# Altium PCB PM12_CFD.PcbDoc (part 1 of 12) (continued)
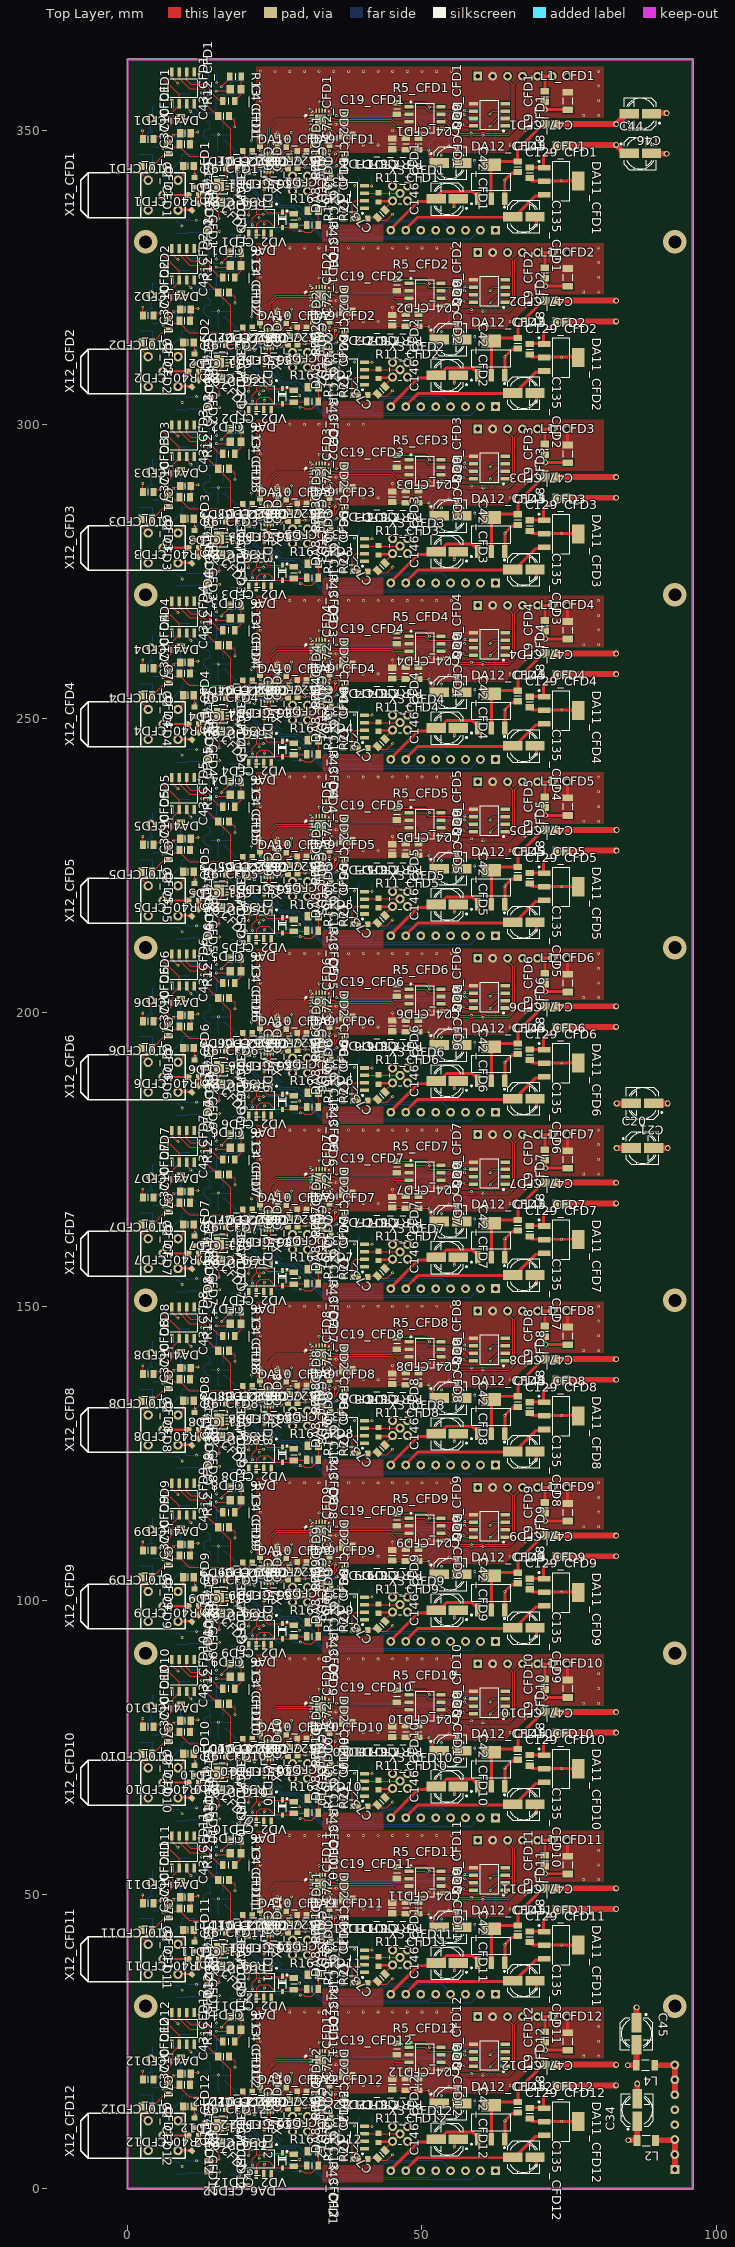
[diagram p0: Top Layer view]
## Design rules (kind name [scope] priority, off if disabled: settings) (continued)
PolygonConnect CAM_PolygonConnect_$Net1228 [InNet('$Net1228')] p57: connectstyle=Direct reliefconductorwidth=0.254 reliefentries=4 polygonreliefangle="90 Angle" airgapwidth=0.254
PolygonConnect CAM_PolygonConnect_$Net1236 [InNet('$Net1236')] p58: connectstyle=Direct reliefconductorwidth=0.254 reliefentries=4 polygonreliefangle="90 Angle" airgapwidth=0.254
PolygonConnect CAM_PolygonConnect_$Net1240 [InNet('$Net1240')] p59: connectstyle=Direct reliefconductorwidth=0.254 reliefentries=4 polygonreliefangle="90 Angle" airgapwidth=0.254
PolygonConnect CAM_PolygonConnect_$Net1245 [InNet('$Net1245')] p60: connectstyle=Direct reliefconductorwidth=0.254 reliefentries=4 polygonreliefangle="90 Angle" airgapwidth=0.254
PolygonConnect [All] p61: connectstyle=Direct reliefconductorwidth=0.254 reliefentries=4 polygonreliefangle="90 Angle" airgapwidth=0.254
RoutingVias [All] p1: holewidth=0.711 width=1.27 viastyle="Through Hole" minholewidth=0.2 minwidth=0.3 maxholewidth=5 maxwidth=5.2
SolderMaskExpansion [All] p1: expansion=0.102 istentingtop=FALSE
SupplyNets "Schematic Supply Nets_4" [InNet('N5V5_PM12')] p1: voltage=0.000
SupplyNets "Schematic Supply Nets_3" [InNet('GND')] p2: voltage=0.000
SupplyNets "Schematic Supply Nets_2" [InNet('N5V5')] p3: voltage=0.000
SupplyNets "Schematic Supply Nets_1" [InNet('P5V5_PM12')] p4: voltage=0.000
SupplyNets "Schematic Supply Nets" [InNet('P5V5')] p5: voltage=0.000
Width [All] p1: maxlimit=12.7 minlimit=0.076 preferedwidth=0.076 midlayer1_minwidth=0.076 midlayer2_minwidth=0.076 midlayer3_minwidth=0.076 midlayer4_minwidth=0.076 bottomlayer_minwidth=0.076 minimp=50.000000 maximp=50.000000 favimp=50.000000
29 further rules are at their usual default settings.

## Classes and differential pairs
channel class THS3201: CFD1 CFD2 CFD3 CFD4 CFD5 CFD6 CFD7 CFD8 CFD9 CFD10 CFD11 CFD12
channel class Power: CFD1 CFD2 CFD3 CFD4 CFD5 CFD6 CFD7 CFD8 CFD9 CFD10 CFD11 CFD12
channel class LMH: CFD1 CFD2 CFD3 CFD4 CFD5 CFD6 CFD7 CFD8 CFD9 CFD10 CFD11 CFD12
channel class ADCMP: CFD1 CFD2 CFD3 CFD4 CFD5 CFD6 CFD7 CFD8 CFD9 CFD10 CFD11 CFD12
component class PM12_CFD_Main: C20 C21 C34 C44 C45 C46 L2 L4 X2
component class CFD12: C1_CFD12 C6_CFD12 C7_CFD12 C9_CFD12 C22_CFD12 C29_CFD12 C41_CFD12 C42_CFD12 C129_CFD12 C135_CFD12 C145_CFD12 C146_CFD12 DA1_CFD12 DA3_CFD12 DA11_CFD12 DA12_CFD12 DA13_CFD12 L8_CFD12 L9_CFD12 R1_CFD12 R25_CFD12 R28_CFD12 R29_CFD12
component class CFD11: C1_CFD11 C6_CFD11 C7_CFD11 C9_CFD11 C22_CFD11 C29_CFD11 C41_CFD11 C42_CFD11 C129_CFD11 C135_CFD11 C145_CFD11 C146_CFD11 DA1_CFD11 DA3_CFD11 DA11_CFD11 DA12_CFD11 DA13_CFD11 L8_CFD11 L9_CFD11 R1_CFD11 R25_CFD11 R28_CFD11 R29_CFD11
component class CFD10: C1_CFD10 C6_CFD10 C7_CFD10 C9_CFD10 C22_CFD10 C29_CFD10 C41_CFD10 C42_CFD10 C129_CFD10 C135_CFD10 C145_CFD10 C146_CFD10 DA1_CFD10 DA3_CFD10 DA11_CFD10 DA12_CFD10 DA13_CFD10 L8_CFD10 L9_CFD10 R1_CFD10 R25_CFD10 R28_CFD10 R29_CFD10
component class CFD9: C1_CFD9 C6_CFD9 C7_CFD9 C9_CFD9 C22_CFD9 C29_CFD9 C41_CFD9 C42_CFD9 C129_CFD9 C135_CFD9 C145_CFD9 C146_CFD9 DA1_CFD9 DA3_CFD9 DA11_CFD9 DA12_CFD9 DA13_CFD9 L8_CFD9 L9_CFD9 R1_CFD9 R25_CFD9 R28_CFD9 R29_CFD9
component class CFD8: C1_CFD8 C6_CFD8 C7_CFD8 C9_CFD8 C22_CFD8 C29_CFD8 C41_CFD8 C42_CFD8 C129_CFD8 C135_CFD8 C145_CFD8 C146_CFD8 DA1_CFD8 DA3_CFD8 DA11_CFD8 DA12_CFD8 DA13_CFD8 L8_CFD8 L9_CFD8 R1_CFD8 R25_CFD8 R28_CFD8 R29_CFD8
component class CFD7: C1_CFD7 C6_CFD7 C7_CFD7 C9_CFD7 C22_CFD7 C29_CFD7 C41_CFD7 C42_CFD7 C129_CFD7 C135_CFD7 C145_CFD7 C146_CFD7 DA1_CFD7 DA3_CFD7 DA11_CFD7 DA12_CFD7 DA13_CFD7 L8_CFD7 L9_CFD7 R1_CFD7 R25_CFD7 R28_CFD7 R29_CFD7
component class CFD6: C1_CFD6 C6_CFD6 C7_CFD6 C9_CFD6 C22_CFD6 C29_CFD6 C41_CFD6 C42_CFD6 C129_CFD6 C135_CFD6 C145_CFD6 C146_CFD6 DA1_CFD6 DA3_CFD6 DA11_CFD6 DA12_CFD6 DA13_CFD6 L8_CFD6 L9_CFD6 R1_CFD6 R25_CFD6 R28_CFD6 R29_CFD6
component class CFD5: C1_CFD5 C6_CFD5 C7_CFD5 C9_CFD5 C22_CFD5 C29_CFD5 C41_CFD5 C42_CFD5 C129_CFD5 C135_CFD5 C145_CFD5 C146_CFD5 DA1_CFD5 DA3_CFD5 DA11_CFD5 DA12_CFD5 DA13_CFD5 L8_CFD5 L9_CFD5 R1_CFD5 R25_CFD5 R28_CFD5 R29_CFD5
component class CFD4: C1_CFD4 C6_CFD4 C7_CFD4 C9_CFD4 C22_CFD4 C29_CFD4 C41_CFD4 C42_CFD4 C129_CFD4 C135_CFD4 C145_CFD4 C146_CFD4 DA1_CFD4 DA3_CFD4 DA11_CFD4 DA12_CFD4 DA13_CFD4 L8_CFD4 L9_CFD4 R1_CFD4 R25_CFD4 R28_CFD4 R29_CFD4
component class CFD3: C1_CFD3 C6_CFD3 C7_CFD3 C9_CFD3 C22_CFD3 C29_CFD3 C41_CFD3 C42_CFD3 C129_CFD3 C135_CFD3 C145_CFD3 C146_CFD3 DA1_CFD3 DA3_CFD3 DA11_CFD3 DA12_CFD3 DA13_CFD3 L8_CFD3 L9_CFD3 R1_CFD3 R25_CFD3 R28_CFD3 R29_CFD3
component class CFD2: C1_CFD2 C6_CFD2 C7_CFD2 C9_CFD2 C22_CFD2 C29_CFD2 C41_CFD2 C42_CFD2 C129_CFD2 C135_CFD2 C145_CFD2 C146_CFD2 DA1_CFD2 DA3_CFD2 DA11_CFD2 DA12_CFD2 DA13_CFD2 L8_CFD2 L9_CFD2 R1_CFD2 R25_CFD2 R28_CFD2 R29_CFD2
component class CFD1: C1_CFD1 C6_CFD1 C7_CFD1 C9_CFD1 C22_CFD1 C29_CFD1 C41_CFD1 C42_CFD1 C129_CFD1 C135_CFD1 C145_CFD1 C146_CFD1 DA1_CFD1 DA3_CFD1 DA11_CFD1 DA12_CFD1 DA13_CFD1 L8_CFD1 L9_CFD1 R1_CFD1 R25_CFD1 R28_CFD1 R29_CFD1
differential pair DD8_Q_CFD12: +DD8_Q_CFD12_P -DD8_Q_CFD12_N
differential pair DD8_Q_CFD11: +DD8_Q_CFD11_P -DD8_Q_CFD11_N
differential pair DD8_Q_CFD10: +DD8_Q_CFD10_P -DD8_Q_CFD10_N
differential pair DD8_Q_CFD9: +DD8_Q_CFD9_P -DD8_Q_CFD9_N
differential pair DD8_Q_CFD8: +DD8_Q_CFD8_P -DD8_Q_CFD8_N
differential pair DD8_Q_CFD7: +DD8_Q_CFD7_P -DD8_Q_CFD7_N
differential pair DD8_Q_CFD6: +DD8_Q_CFD6_P -DD8_Q_CFD6_N
differential pair DD8_Q_CFD5: +DD8_Q_CFD5_P -DD8_Q_CFD5_N
differential pair DD8_Q_CFD4: +DD8_Q_CFD4_P -DD8_Q_CFD4_N
differential pair DD8_Q_CFD3: +DD8_Q_CFD3_P -DD8_Q_CFD3_N
differential pair DD8_Q_CFD2: +DD8_Q_CFD2_P -DD8_Q_CFD2_N
differential pair DD8_Q_CFD1: +DD8_Q_CFD1_P -DD8_Q_CFD1_N
differential pair DD2_R_CFD12: +DD2_R_CFD12_P -DD2_R_CFD12_N
differential pair DD2_R_CFD11: +DD2_R_CFD11_P -DD2_R_CFD11_N
differential pair DD2_R_CFD10: +DD2_R_CFD10_P -DD2_R_CFD10_N
differential pair DD2_R_CFD9: +DD2_R_CFD9_P -DD2_R_CFD9_N
differential pair DD2_R_CFD8: +DD2_R_CFD8_P -DD2_R_CFD8_N
differential pair DD2_R_CFD7: +DD2_R_CFD7_P -DD2_R_CFD7_N
differential pair DD2_R_CFD6: +DD2_R_CFD6_P -DD2_R_CFD6_N
differential pair DD2_R_CFD5: +DD2_R_CFD5_P -DD2_R_CFD5_N
differential pair DD2_R_CFD4: +DD2_R_CFD4_P -DD2_R_CFD4_N
differential pair DD2_R_CFD3: +DD2_R_CFD3_P -DD2_R_CFD3_N
differential pair DD2_R_CFD2: +DD2_R_CFD2_P -DD2_R_CFD2_N
differential pair DD2_R_CFD1: +DD2_R_CFD1_P -DD2_R_CFD1_N
differential pair DD2_Q_CFD12: +DD2_Q_CFD12_P -DD2_Q_CFD12_N
differential pair DD2_Q_CFD11: +DD2_Q_CFD11_P -DD2_Q_CFD11_N
differential pair DD2_Q_CFD10: +DD2_Q_CFD10_P -DD2_Q_CFD10_N
differential pair DD2_Q_CFD9: +DD2_Q_CFD9_P -DD2_Q_CFD9_N
differential pair DD2_Q_CFD8: +DD2_Q_CFD8_P -DD2_Q_CFD8_N
differential pair DD2_Q_CFD7: +DD2_Q_CFD7_P -DD2_Q_CFD7_N
differential pair DD2_Q_CFD6: +DD2_Q_CFD6_P -DD2_Q_CFD6_N
differential pair DD2_Q_CFD5: +DD2_Q_CFD5_P -DD2_Q_CFD5_N
differential pair DD2_Q_CFD4: +DD2_Q_CFD4_P -DD2_Q_CFD4_N
differential pair DD2_Q_CFD3: +DD2_Q_CFD3_P -DD2_Q_CFD3_N
differential pair DD2_Q_CFD2: +DD2_Q_CFD2_P -DD2_Q_CFD2_N
differential pair DD2_Q_CFD1: +DD2_Q_CFD1_P -DD2_Q_CFD1_N
differential pair DA10_Q_CFD12: +DA10_Q_CFD12_P -DA10_Q_CFD12_N
differential pair DA10_Q_CFD11: +DA10_Q_CFD11_P -DA10_Q_CFD11_N
differential pair DA10_Q_CFD10: +DA10_Q_CFD10_P -DA10_Q_CFD10_N
differential pair DA10_Q_CFD9: +DA10_Q_CFD9_P -DA10_Q_CFD9_N
differential pair DA10_Q_CFD8: +DA10_Q_CFD8_P -DA10_Q_CFD8_N
differential pair DA10_Q_CFD7: +DA10_Q_CFD7_P -DA10_Q_CFD7_N
differential pair DA10_Q_CFD6: +DA10_Q_CFD6_P -DA10_Q_CFD6_N
differential pair DA10_Q_CFD5: +DA10_Q_CFD5_P -DA10_Q_CFD5_N
differential pair DA10_Q_CFD4: +DA10_Q_CFD4_P -DA10_Q_CFD4_N
differential pair DA10_Q_CFD3: +DA10_Q_CFD3_P -DA10_Q_CFD3_N
differential pair DA10_Q_CFD2: +DA10_Q_CFD2_P -DA10_Q_CFD2_N
differential pair DA10_Q_CFD1: +DA10_Q_CFD1_P -DA10_Q_CFD1_N
differential pair DA9_Q_CFD12: +DA9_Q_CFD12_P -DA9_Q_CFD12_N
differential pair DA9_Q_CFD11: +DA9_Q_CFD11_P -DA9_Q_CFD11_N
differential pair DA9_Q_CFD10: +DA9_Q_CFD10_P -DA9_Q_CFD10_N
differential pair DA9_Q_CFD9: +DA9_Q_CFD9_P -DA9_Q_CFD9_N
differential pair DA9_Q_CFD8: +DA9_Q_CFD8_P -DA9_Q_CFD8_N
differential pair DA9_Q_CFD7: +DA9_Q_CFD7_P -DA9_Q_CFD7_N
differential pair DA9_Q_CFD6: +DA9_Q_CFD6_P -DA9_Q_CFD6_N
differential pair DA9_Q_CFD5: +DA9_Q_CFD5_P -DA9_Q_CFD5_N
differential pair DA9_Q_CFD4: +DA9_Q_CFD4_P -DA9_Q_CFD4_N
differential pair DA9_Q_CFD3: +DA9_Q_CFD3_P -DA9_Q_CFD3_N
differential pair DA9_Q_CFD2: +DA9_Q_CFD2_P -DA9_Q_CFD2_N
differential pair DA9_Q_CFD1: +DA9_Q_CFD1_P -DA9_Q_CFD1_N

## Components (designator, comment, footprint, x,y, rotation, side; value= is the part's Value field where it differs from the comment)
C1_CFD1 "220nF" CAPC2012X135N 14.478,346.5 r180 bottom (schematic designator C1)
C1_CFD2 "220nF" CAPC2012X135N 14.478,316.5 r180 bottom (schematic designator C1)
C1_CFD3 "220nF" CAPC2012X135N 14.478,286.5 r180 bottom (schematic designator C1)
C1_CFD4 "220nF" CAPC2012X135N 14.478,256.5 r180 bottom (schematic designator C1)
C1_CFD5 "220nF" CAPC2012X135N 14.478,226.5 r180 bottom (schematic designator C1)
C1_CFD6 "220nF" CAPC2012X135N 14.478,196.5 r180 bottom (schematic designator C1)
C1_CFD7 "220nF" CAPC2012X135N 14.478,166.5 r180 bottom (schematic designator C1)
C1_CFD8 "220nF" CAPC2012X135N 14.478,136.5 r180 bottom (schematic designator C1)
C1_CFD9 "220nF" CAPC2012X135N 14.478,106.5 r180 bottom (schematic designator C1)
C1_CFD10 "220nF" CAPC2012X135N 14.478,76.5 r180 bottom (schematic designator C1)
C1_CFD11 "220nF" CAPC2012X135N 14.478,46.5 r180 bottom (schematic designator C1)
C1_CFD12 "220nF" CAPC2012X135N 14.478,16.5 r180 bottom (schematic designator C1)
C2_CFD1 "10nF" CAPC2012X135N 3.175,343.916 r0 top (schematic designator C2)
C2_CFD2 "10nF" CAPC2012X135N 3.175,313.916 r0 top (schematic designator C2)
C2_CFD3 "10nF" CAPC2012X135N 3.175,283.916 r0 top (schematic designator C2)
C2_CFD4 "10nF" CAPC2012X135N 3.175,253.916 r0 top (schematic designator C2)
C2_CFD5 "10nF" CAPC2012X135N 3.175,223.916 r0 top (schematic designator C2)
C2_CFD6 "10nF" CAPC2012X135N 3.175,193.916 r0 top (schematic designator C2)
C2_CFD7 "10nF" CAPC2012X135N 3.175,163.916 r0 top (schematic designator C2)
C2_CFD8 "10nF" CAPC2012X135N 3.175,133.916 r0 top (schematic designator C2)
C2_CFD9 "10nF" CAPC2012X135N 3.175,103.916 r0 top (schematic designator C2)
C2_CFD10 "10nF" CAPC2012X135N 3.175,73.916 r0 top (schematic designator C2)
C2_CFD11 "10nF" CAPC2012X135N 3.175,43.916 r0 top (schematic designator C2)
C2_CFD12 "10nF" CAPC2012X135N 3.175,13.916 r0 top (schematic designator C2)
C3_CFD1 "220nF" CAPC2012X135N 15.748,343.662 r0 top (schematic designator C3)
C3_CFD2 "220nF" CAPC2012X135N 15.748,313.662 r0 top (schematic designator C3)
C3_CFD3 "220nF" CAPC2012X135N 15.748,283.662 r0 top (schematic designator C3)
C3_CFD4 "220nF" CAPC2012X135N 15.748,253.662 r0 top (schematic designator C3)
C3_CFD5 "220nF" CAPC2012X135N 15.748,223.662 r0 top (schematic designator C3)
C3_CFD6 "220nF" CAPC2012X135N 15.748,193.662 r0 top (schematic designator C3)
C3_CFD7 "220nF" CAPC2012X135N 15.748,163.662 r0 top (schematic designator C3)
C3_CFD8 "220nF" CAPC2012X135N 15.748,133.662 r0 top (schematic designator C3)
C3_CFD9 "220nF" CAPC2012X135N 15.748,103.662 r0 top (schematic designator C3)
C3_CFD10 "220nF" CAPC2012X135N 15.748,73.662 r0 top (schematic designator C3)
C3_CFD11 "220nF" CAPC2012X135N 15.748,43.662 r0 top (schematic designator C3)
C3_CFD12 "220nF" CAPC2012X135N 15.748,13.662 r0 top (schematic designator C3)
C4_CFD1 "33pF" CAPC2013X115N 18.288,356.997 r0 top (schematic designator C4)
C4_CFD2 "33pF" CAPC2013X115N 18.288,326.997 r0 top (schematic designator C4)
C4_CFD3 "33pF" CAPC2013X115N 18.288,296.997 r0 top (schematic designator C4)
C4_CFD4 "33pF" CAPC2013X115N 18.288,266.997 r0 top (schematic designator C4)
C4_CFD5 "33pF" CAPC2013X115N 18.288,236.997 r0 top (schematic designator C4)
C4_CFD6 "33pF" CAPC2013X115N 18.288,206.997 r0 top (schematic designator C4)
C4_CFD7 "33pF" CAPC2013X115N 18.288,176.997 r0 top (schematic designator C4)
C4_CFD8 "33pF" CAPC2013X115N 18.288,146.997 r0 top (schematic designator C4)
C4_CFD9 "33pF" CAPC2013X115N 18.288,116.997 r0 top (schematic designator C4)
C4_CFD10 "33pF" CAPC2013X115N 18.288,86.997 r0 top (schematic designator C4)
C4_CFD11 "33pF" CAPC2013X115N 18.288,56.997 r0 top (schematic designator C4)
C4_CFD12 "33pF" CAPC2013X115N 18.288,26.997 r0 top (schematic designator C4)
C5_CFD1 "1nF" CAPC2013X100N 10.45,357.2 r90 bottom (schematic designator C5)
C5_CFD2 "1nF" CAPC2013X100N 10.45,327.2 r90 bottom (schematic designator C5)
C5_CFD3 "1nF" CAPC2013X100N 10.45,297.2 r90 bottom (schematic designator C5)
C5_CFD4 "1nF" CAPC2013X100N 10.45,267.2 r90 bottom (schematic designator C5)
C5_CFD5 "1nF" CAPC2013X100N 10.45,237.2 r90 bottom (schematic designator C5)
C5_CFD6 "1nF" CAPC2013X100N 10.45,207.2 r90 bottom (schematic designator C5)
C5_CFD7 "1nF" CAPC2013X100N 10.45,177.2 r90 bottom (schematic designator C5)
C5_CFD8 "1nF" CAPC2013X100N 10.45,147.2 r90 bottom (schematic designator C5)
C5_CFD9 "1nF" CAPC2013X100N 10.45,117.2 r90 bottom (schematic designator C5)
C5_CFD10 "1nF" CAPC2013X100N 10.45,87.2 r90 bottom (schematic designator C5)
C5_CFD11 "1nF" CAPC2013X100N 10.45,57.2 r90 bottom (schematic designator C5)
C5_CFD12 "1nF" CAPC2013X100N 10.45,27.2 r90 bottom (schematic designator C5)
C6_CFD1 "10nF" CAPC2012X135N 17.145,352.171 r180 bottom (schematic designator C6)
C6_CFD2 "10nF" CAPC2012X135N 17.145,322.171 r180 bottom (schematic designator C6)
C6_CFD3 "10nF" CAPC2012X135N 17.145,292.171 r180 bottom (schematic designator C6)
C6_CFD4 "10nF" CAPC2012X135N 17.145,262.171 r180 bottom (schematic designator C6)
C6_CFD5 "10nF" CAPC2012X135N 17.145,232.171 r180 bottom (schematic designator C6)
C6_CFD6 "10nF" CAPC2012X135N 17.145,202.171 r180 bottom (schematic designator C6)
C6_CFD7 "10nF" CAPC2012X135N 17.145,172.171 r180 bottom (schematic designator C6)
C6_CFD8 "10nF" CAPC2012X135N 17.145,142.171 r180 bottom (schematic designator C6)
C6_CFD9 "10nF" CAPC2012X135N 17.145,112.171 r180 bottom (schematic designator C6)
C6_CFD10 "10nF" CAPC2012X135N 17.145,82.171 r180 bottom (schematic designator C6)
C6_CFD11 "10nF" CAPC2012X135N 17.145,52.171 r180 bottom (schematic designator C6)
C6_CFD12 "10nF" CAPC2012X135N 17.145,22.171 r180 bottom (schematic designator C6)
C7_CFD1 "4.7uF" CAPC2012X135N 17.8,348.15 r270 bottom (schematic designator C7)
C7_CFD2 "4.7uF" CAPC2012X135N 17.8,318.15 r270 bottom (schematic designator C7)
C7_CFD3 "4.7uF" CAPC2012X135N 17.8,288.15 r270 bottom (schematic designator C7)
C7_CFD4 "4.7uF" CAPC2012X135N 17.8,258.15 r270 bottom (schematic designator C7)
C7_CFD5 "4.7uF" CAPC2012X135N 17.8,228.15 r270 bottom (schematic designator C7)
C7_CFD6 "4.7uF" CAPC2012X135N 17.8,198.15 r270 bottom (schematic designator C7)
C7_CFD7 "4.7uF" CAPC2012X135N 17.8,168.15 r270 bottom (schematic designator C7)
C7_CFD8 "4.7uF" CAPC2012X135N 17.8,138.15 r270 bottom (schematic designator C7)
C7_CFD9 "4.7uF" CAPC2012X135N 17.8,108.15 r270 bottom (schematic designator C7)
C7_CFD10 "4.7uF" CAPC2012X135N 17.8,78.15 r270 bottom (schematic designator C7)
C7_CFD11 "4.7uF" CAPC2012X135N 17.8,48.15 r270 bottom (schematic designator C7)
C7_CFD12 "4.7uF" CAPC2012X135N 17.8,18.15 r270 bottom (schematic designator C7)
C8_CFD1 "220nF" CAPC2012X135N 44.958,347.68 r270 top (schematic designator C8)
C8_CFD2 "220nF" CAPC2012X135N 44.958,317.68 r270 top (schematic designator C8)
C8_CFD3 "220nF" CAPC2012X135N 44.958,287.68 r270 top (schematic designator C8)
C8_CFD4 "220nF" CAPC2012X135N 44.958,257.68 r270 top (schematic designator C8)
C8_CFD5 "220nF" CAPC2012X135N 44.958,227.68 r270 top (schematic designator C8)
C8_CFD6 "220nF" CAPC2012X135N 44.958,197.68 r270 top (schematic designator C8)
C8_CFD7 "220nF" CAPC2012X135N 44.958,167.68 r270 top (schematic designator C8)
C8_CFD8 "220nF" CAPC2012X135N 44.958,137.68 r270 top (schematic designator C8)
C8_CFD9 "220nF" CAPC2012X135N 44.958,107.68 r270 top (schematic designator C8)
C8_CFD10 "220nF" CAPC2012X135N 44.958,77.68 r270 top (schematic designator C8)
C8_CFD11 "220nF" CAPC2012X135N 44.958,47.68 r270 top (schematic designator C8)
C8_CFD12 "220nF" CAPC2012X135N 44.958,17.68 r270 top (schematic designator C8)
C9_CFD1 "4.7uF" CAPC2012X135N 13.716,333.756 r90 top (schematic designator C9)
C9_CFD2 "4.7uF" CAPC2012X135N 13.716,303.756 r90 top (schematic designator C9)
C9_CFD3 "4.7uF" CAPC2012X135N 13.716,273.756 r90 top (schematic designator C9)
C9_CFD4 "4.7uF" CAPC2012X135N 13.716,243.756 r90 top (schematic designator C9)
C9_CFD5 "4.7uF" CAPC2012X135N 13.716,213.756 r90 top (schematic designator C9)
C9_CFD6 "4.7uF" CAPC2012X135N 13.716,183.756 r90 top (schematic designator C9)
C9_CFD7 "4.7uF" CAPC2012X135N 13.716,153.756 r90 top (schematic designator C9)
C9_CFD8 "4.7uF" CAPC2012X135N 13.716,123.756 r90 top (schematic designator C9)
C9_CFD9 "4.7uF" CAPC2012X135N 13.716,93.756 r90 top (schematic designator C9)
C9_CFD10 "4.7uF" CAPC2012X135N 13.716,63.756 r90 top (schematic designator C9)
C9_CFD11 "4.7uF" CAPC2012X135N 13.716,33.756 r90 top (schematic designator C9)
C9_CFD12 "4.7uF" CAPC2012X135N 13.716,3.756 r90 top (schematic designator C9)
C10_CFD1 "220nF" CAPC2012X135N 9.779,349.504 r180 top (schematic designator C10)
C10_CFD2 "220nF" CAPC2012X135N 9.779,319.504 r180 top (schematic designator C10)
C10_CFD3 "220nF" CAPC2012X135N 9.779,289.504 r180 top (schematic designator C10)
C10_CFD4 "220nF" CAPC2012X135N 9.779,259.504 r180 top (schematic designator C10)
C10_CFD5 "220nF" CAPC2012X135N 9.779,229.504 r180 top (schematic designator C10)
C10_CFD6 "220nF" CAPC2012X135N 9.779,199.504 r180 top (schematic designator C10)
C10_CFD7 "220nF" CAPC2012X135N 9.779,169.504 r180 top (schematic designator C10)
C10_CFD8 "220nF" CAPC2012X135N 9.779,139.504 r180 top (schematic designator C10)
C10_CFD9 "220nF" CAPC2012X135N 9.779,109.504 r180 top (schematic designator C10)
C10_CFD10 "220nF" CAPC2012X135N 9.779,79.504 r180 top (schematic designator C10)
C10_CFD11 "220nF" CAPC2012X135N 9.779,49.504 r180 top (schematic designator C10)
C10_CFD12 "220nF" CAPC2012X135N 9.779,19.504 r180 top (schematic designator C10)
C11_CFD1 "220nF" CAPC2012X135N 16.57,337.9 r180 top (schematic designator C11)
C11_CFD2 "220nF" CAPC2012X135N 16.57,307.9 r180 top (schematic designator C11)
C11_CFD3 "220nF" CAPC2012X135N 16.57,277.9 r180 top (schematic designator C11)
C11_CFD4 "220nF" CAPC2012X135N 16.57,247.9 r180 top (schematic designator C11)
C11_CFD5 "220nF" CAPC2012X135N 16.57,217.9 r180 top (schematic designator C11)
C11_CFD6 "220nF" CAPC2012X135N 16.57,187.9 r180 top (schematic designator C11)
C11_CFD7 "220nF" CAPC2012X135N 16.57,157.9 r180 top (schematic designator C11)
C11_CFD8 "220nF" CAPC2012X135N 16.57,127.9 r180 top (schematic designator C11)
C11_CFD9 "220nF" CAPC2012X135N 16.57,97.9 r180 top (schematic designator C11)
C11_CFD10 "220nF" CAPC2012X135N 16.57,67.9 r180 top (schematic designator C11)
C11_CFD11 "220nF" CAPC2012X135N 16.57,37.9 r180 top (schematic designator C11)
C11_CFD12 "220nF" CAPC2012X135N 16.57,7.9 r180 top (schematic designator C11)
C12_CFD1 "220nF" CAPC2012X135N 26.924,335.661 r180 bottom (schematic designator C12)
C12_CFD2 "220nF" CAPC2012X135N 26.924,305.661 r180 bottom (schematic designator C12)
C12_CFD3 "220nF" CAPC2012X135N 26.924,275.661 r180 bottom (schematic designator C12)
C12_CFD4 "220nF" CAPC2012X135N 26.924,245.661 r180 bottom (schematic designator C12)
C12_CFD5 "220nF" CAPC2012X135N 26.924,215.661 r180 bottom (schematic designator C12)
C12_CFD6 "220nF" CAPC2012X135N 26.924,185.661 r180 bottom (schematic designator C12)
C12_CFD7 "220nF" CAPC2012X135N 26.924,155.661 r180 bottom (schematic designator C12)
C12_CFD8 "220nF" CAPC2012X135N 26.924,125.661 r180 bottom (schematic designator C12)
C12_CFD9 "220nF" CAPC2012X135N 26.924,95.661 r180 bottom (schematic designator C12)
C12_CFD10 "220nF" CAPC2012X135N 26.924,65.661 r180 bottom (schematic designator C12)
C12_CFD11 "220nF" CAPC2012X135N 26.924,35.661 r180 bottom (schematic designator C12)
C12_CFD12 "220nF" CAPC2012X135N 26.924,5.661 r180 bottom (schematic designator C12)
C13_CFD1 "33pF" CAPC2013X115N 31.496,336.296 r0 top (schematic designator C13)
C13_CFD2 "33pF" CAPC2013X115N 31.496,306.296 r0 top (schematic designator C13)
C13_CFD3 "33pF" CAPC2013X115N 31.496,276.296 r0 top (schematic designator C13)
C13_CFD4 "33pF" CAPC2013X115N 31.496,246.296 r0 top (schematic designator C13)
C13_CFD5 "33pF" CAPC2013X115N 31.496,216.296 r0 top (schematic designator C13)
C13_CFD6 "33pF" CAPC2013X115N 31.496,186.296 r0 top (schematic designator C13)
C13_CFD7 "33pF" CAPC2013X115N 31.496,156.296 r0 top (schematic designator C13)
C13_CFD8 "33pF" CAPC2013X115N 31.496,126.296 r0 top (schematic designator C13)
C13_CFD9 "33pF" CAPC2013X115N 31.496,96.296 r0 top (schematic designator C13)
C13_CFD10 "33pF" CAPC2013X115N 31.496,66.296 r0 top (schematic designator C13)
C13_CFD11 "33pF" CAPC2013X115N 31.496,36.296 r0 top (schematic designator C13)
C13_CFD12 "33pF" CAPC2013X115N 31.496,6.296 r0 top (schematic designator C13)
C14_CFD1 "10nF" CAPC2012X135N 10.287,343.916 r0 top (schematic designator C14)
C14_CFD2 "10nF" CAPC2012X135N 10.287,313.916 r0 top (schematic designator C14)
C14_CFD3 "10nF" CAPC2012X135N 10.287,283.916 r0 top (schematic designator C14)
C14_CFD4 "10nF" CAPC2012X135N 10.287,253.916 r0 top (schematic designator C14)
C14_CFD5 "10nF" CAPC2012X135N 10.287,223.916 r0 top (schematic designator C14)
C14_CFD6 "10nF" CAPC2012X135N 10.287,193.916 r0 top (schematic designator C14)
C14_CFD7 "10nF" CAPC2012X135N 10.287,163.916 r0 top (schematic designator C14)
C14_CFD8 "10nF" CAPC2012X135N 10.287,133.916 r0 top (schematic designator C14)
C14_CFD9 "10nF" CAPC2012X135N 10.287,103.916 r0 top (schematic designator C14)
C14_CFD10 "10nF" CAPC2012X135N 10.287,73.916 r0 top (schematic designator C14)
C14_CFD11 "10nF" CAPC2012X135N 10.287,43.916 r0 top (schematic designator C14)
C14_CFD12 "10nF" CAPC2012X135N 10.287,13.916 r0 top (schematic designator C14)
C15_CFD1 "4.7nF" CAPC2012X135N 17.399,333.248 r90 bottom (schematic designator C15)
C15_CFD2 "4.7nF" CAPC2012X135N 17.399,303.248 r90 bottom (schematic designator C15)
C15_CFD3 "4.7nF" CAPC2012X135N 17.399,273.248 r90 bottom (schematic designator C15)
C15_CFD4 "4.7nF" CAPC2012X135N 17.399,243.248 r90 bottom (schematic designator C15)
C15_CFD5 "4.7nF" CAPC2012X135N 17.399,213.248 r90 bottom (schematic designator C15)
C15_CFD6 "4.7nF" CAPC2012X135N 17.399,183.248 r90 bottom (schematic designator C15)
C15_CFD7 "4.7nF" CAPC2012X135N 17.399,153.248 r90 bottom (schematic designator C15)
C15_CFD8 "4.7nF" CAPC2012X135N 17.399,123.248 r90 bottom (schematic designator C15)
C15_CFD9 "4.7nF" CAPC2012X135N 17.399,93.248 r90 bottom (schematic designator C15)
C15_CFD10 "4.7nF" CAPC2012X135N 17.399,63.248 r90 bottom (schematic designator C15)
C15_CFD11 "4.7nF" CAPC2012X135N 17.399,33.248 r90 bottom (schematic designator C15)
C15_CFD12 "4.7nF" CAPC2012X135N 17.399,3.248 r90 bottom (schematic designator C15)
C16_CFD1 "33pF" CAPC2012X135N 61.468,351.6 r0 bottom (schematic designator C16)
C16_CFD2 "33pF" CAPC2012X135N 61.468,321.6 r0 bottom (schematic designator C16)
C16_CFD3 "33pF" CAPC2012X135N 61.468,291.6 r0 bottom (schematic designator C16)
C16_CFD4 "33pF" CAPC2012X135N 61.468,261.6 r0 bottom (schematic designator C16)
C16_CFD5 "33pF" CAPC2012X135N 61.468,231.6 r0 bottom (schematic designator C16)
C16_CFD6 "33pF" CAPC2012X135N 61.468,201.6 r0 bottom (schematic designator C16)
C16_CFD7 "33pF" CAPC2012X135N 61.468,171.6 r0 bottom (schematic designator C16)
C16_CFD8 "33pF" CAPC2012X135N 61.468,141.6 r0 bottom (schematic designator C16)
C16_CFD9 "33pF" CAPC2012X135N 61.468,111.6 r0 bottom (schematic designator C16)
C16_CFD10 "33pF" CAPC2012X135N 61.468,81.6 r0 bottom (schematic designator C16)
C16_CFD11 "33pF" CAPC2012X135N 61.468,51.6 r0 bottom (schematic designator C16)
C16_CFD12 "33pF" CAPC2012X135N 61.468,21.6 r0 bottom (schematic designator C16)
C17_CFD1 "33pF" CAPC2012X135N 61.468,353.695 r0 bottom (schematic designator C17)
C17_CFD2 "33pF" CAPC2012X135N 61.468,323.695 r0 bottom (schematic designator C17)
C17_CFD3 "33pF" CAPC2012X135N 61.468,293.695 r0 bottom (schematic designator C17)
C17_CFD4 "33pF" CAPC2012X135N 61.468,263.695 r0 bottom (schematic designator C17)
C17_CFD5 "33pF" CAPC2012X135N 61.468,233.695 r0 bottom (schematic designator C17)
C17_CFD6 "33pF" CAPC2012X135N 61.468,203.695 r0 bottom (schematic designator C17)
C17_CFD7 "33pF" CAPC2012X135N 61.468,173.695 r0 bottom (schematic designator C17)
C17_CFD8 "33pF" CAPC2012X135N 61.468,143.695 r0 bottom (schematic designator C17)
C17_CFD9 "33pF" CAPC2012X135N 61.468,113.695 r0 bottom (schematic designator C17)
C17_CFD10 "33pF" CAPC2012X135N 61.468,83.695 r0 bottom (schematic designator C17)
C17_CFD11 "33pF" CAPC2012X135N 61.468,53.695 r0 bottom (schematic designator C17)
C17_CFD12 "33pF" CAPC2012X135N 61.468,23.695 r0 bottom (schematic designator C17)
C18_CFD1 "220nF" CAPC1608X87N 26.924,347.95 r270 top (schematic designator C18)
C18_CFD2 "220nF" CAPC1608X87N 26.924,317.95 r270 top (schematic designator C18)
C18_CFD3 "220nF" CAPC1608X87N 26.924,287.95 r270 top (schematic designator C18)
C18_CFD4 "220nF" CAPC1608X87N 26.924,257.95 r270 top (schematic designator C18)
C18_CFD5 "220nF" CAPC1608X87N 26.924,227.95 r270 top (schematic designator C18)
C18_CFD6 "220nF" CAPC1608X87N 26.924,197.95 r270 top (schematic designator C18)
C18_CFD7 "220nF" CAPC1608X87N 26.924,167.95 r270 top (schematic designator C18)
C18_CFD8 "220nF" CAPC1608X87N 26.924,137.95 r270 top (schematic designator C18)
C18_CFD9 "220nF" CAPC1608X87N 26.924,107.95 r270 top (schematic designator C18)
C18_CFD10 "220nF" CAPC1608X87N 26.924,77.95 r270 top (schematic designator C18)
C18_CFD11 "220nF" CAPC1608X87N 26.924,47.95 r270 top (schematic designator C18)
C18_CFD12 "220nF" CAPC1608X87N 26.924,17.95 r270 top (schematic designator C18)
C19_CFD1 "220nF" CAPC2012X135N 36.83,351.713 r90 top (schematic designator C19)
C19_CFD2 "220nF" CAPC2012X135N 36.83,321.713 r90 top (schematic designator C19)
C19_CFD3 "220nF" CAPC2012X135N 36.83,291.713 r90 top (schematic designator C19)
C19_CFD4 "220nF" CAPC2012X135N 36.83,261.713 r90 top (schematic designator C19)
C19_CFD5 "220nF" CAPC2012X135N 36.83,231.713 r90 top (schematic designator C19)
C19_CFD6 "220nF" CAPC2012X135N 36.83,201.713 r90 top (schematic designator C19)
C19_CFD7 "220nF" CAPC2012X135N 36.83,171.713 r90 top (schematic designator C19)
C19_CFD8 "220nF" CAPC2012X135N 36.83,141.713 r90 top (schematic designator C19)
C19_CFD9 "220nF" CAPC2012X135N 36.83,111.713 r90 top (schematic designator C19)
C19_CFD10 "220nF" CAPC2012X135N 36.83,81.713 r90 top (schematic designator C19)
C19_CFD11 "220nF" CAPC2012X135N 36.83,51.713 r90 top (schematic designator C19)
C19_CFD12 "220nF" CAPC2012X135N 36.83,21.713 r90 top (schematic designator C19)
C20 "47uF" CAPAE530X610N 87.503,176.911 r0 top
C21 "47uF" CAPAE530X610N 87.503,184.531 r180 top
C22_CFD1 "15nF" CAPC2012X135N 58.955,344.95 r90 bottom (schematic designator C22)
C22_CFD2 "15nF" CAPC2012X135N 58.955,314.95 r90 bottom (schematic designator C22)
C22_CFD3 "15nF" CAPC2012X135N 58.955,284.95 r90 bottom (schematic designator C22)
C22_CFD4 "15nF" CAPC2012X135N 58.955,254.95 r90 bottom (schematic designator C22)
C22_CFD5 "15nF" CAPC2012X135N 58.955,224.95 r90 bottom (schematic designator C22)
C22_CFD6 "15nF" CAPC2012X135N 58.955,194.95 r90 bottom (schematic designator C22)
C22_CFD7 "15nF" CAPC2012X135N 58.955,164.95 r90 bottom (schematic designator C22)
C22_CFD8 "15nF" CAPC2012X135N 58.955,134.95 r90 bottom (schematic designator C22)
C22_CFD9 "15nF" CAPC2012X135N 58.955,104.95 r90 bottom (schematic designator C22)
C22_CFD10 "15nF" CAPC2012X135N 58.955,74.95 r90 bottom (schematic designator C22)
C22_CFD11 "15nF" CAPC2012X135N 58.955,44.95 r90 bottom (schematic designator C22)
C22_CFD12 "15nF" CAPC2012X135N 58.955,14.95 r90 bottom (schematic designator C22)
C23_CFD1 "220nF" CAPC1608X87N 22.479,348.107 r270 top (schematic designator C23)
C23_CFD2 "220nF" CAPC1608X87N 22.479,318.107 r270 top (schematic designator C23)
C23_CFD3 "220nF" CAPC1608X87N 22.479,288.107 r270 top (schematic designator C23)
C23_CFD4 "220nF" CAPC1608X87N 22.479,258.107 r270 top (schematic designator C23)
C23_CFD5 "220nF" CAPC1608X87N 22.479,228.107 r270 top (schematic designator C23)
C23_CFD6 "220nF" CAPC1608X87N 22.479,198.107 r270 top (schematic designator C23)
C23_CFD7 "220nF" CAPC1608X87N 22.479,168.107 r270 top (schematic designator C23)
C23_CFD8 "220nF" CAPC1608X87N 22.479,138.107 r270 top (schematic designator C23)
C23_CFD9 "220nF" CAPC1608X87N 22.479,108.107 r270 top (schematic designator C23)
C23_CFD10 "220nF" CAPC1608X87N 22.479,78.107 r270 top (schematic designator C23)
C23_CFD11 "220nF" CAPC1608X87N 22.479,48.107 r270 top (schematic designator C23)
C23_CFD12 "220nF" CAPC1608X87N 22.479,18.107 r270 top (schematic designator C23)
C24_CFD1 "220nF" CAPC2012X135N 55.795,353.2 r270 top (schematic designator C24)
C24_CFD2 "220nF" CAPC2012X135N 55.795,323.2 r270 top (schematic designator C24)
C24_CFD3 "220nF" CAPC2012X135N 55.795,293.2 r270 top (schematic designator C24)
C24_CFD4 "220nF" CAPC2012X135N 55.795,263.2 r270 top (schematic designator C24)
C24_CFD5 "220nF" CAPC2012X135N 55.795,233.2 r270 top (schematic designator C24)
C24_CFD6 "220nF" CAPC2012X135N 55.795,203.2 r270 top (schematic designator C24)
C24_CFD7 "220nF" CAPC2012X135N 55.795,173.2 r270 top (schematic designator C24)
C24_CFD8 "220nF" CAPC2012X135N 55.795,143.2 r270 top (schematic designator C24)
C24_CFD9 "220nF" CAPC2012X135N 55.795,113.2 r270 top (schematic designator C24)
C24_CFD10 "220nF" CAPC2012X135N 55.795,83.2 r270 top (schematic designator C24)
C24_CFD11 "220nF" CAPC2012X135N 55.795,53.2 r270 top (schematic designator C24)
C24_CFD12 "220nF" CAPC2012X135N 55.795,23.2 r270 top (schematic designator C24)
C25_CFD1 "220nF" CAPC1608X87N 34.29,348.234 r270 top (schematic designator C25)
C25_CFD2 "220nF" CAPC1608X87N 34.29,318.234 r270 top (schematic designator C25)
C25_CFD3 "220nF" CAPC1608X87N 34.29,288.234 r270 top (schematic designator C25)
C25_CFD4 "220nF" CAPC1608X87N 34.29,258.234 r270 top (schematic designator C25)
C25_CFD5 "220nF" CAPC1608X87N 34.29,228.234 r270 top (schematic designator C25)
C25_CFD6 "220nF" CAPC1608X87N 34.29,198.234 r270 top (schematic designator C25)
C25_CFD7 "220nF" CAPC1608X87N 34.29,168.234 r270 top (schematic designator C25)
C25_CFD8 "220nF" CAPC1608X87N 34.29,138.234 r270 top (schematic designator C25)
C25_CFD9 "220nF" CAPC1608X87N 34.29,108.234 r270 top (schematic designator C25)
C25_CFD10 "220nF" CAPC1608X87N 34.29,78.234 r270 top (schematic designator C25)
C25_CFD11 "220nF" CAPC1608X87N 34.29,48.234 r270 top (schematic designator C25)
C25_CFD12 "220nF" CAPC1608X87N 34.29,18.234 r270 top (schematic designator C25)
C26_CFD1 "220nF" CAPC2012X135N 49.784,352.2 r90 bottom (schematic designator C26)
C26_CFD2 "220nF" CAPC2012X135N 49.784,322.2 r90 bottom (schematic designator C26)
C26_CFD3 "220nF" CAPC2012X135N 49.784,292.2 r90 bottom (schematic designator C26)
C26_CFD4 "220nF" CAPC2012X135N 49.784,262.2 r90 bottom (schematic designator C26)
C26_CFD5 "220nF" CAPC2012X135N 49.784,232.2 r90 bottom (schematic designator C26)
C26_CFD6 "220nF" CAPC2012X135N 49.784,202.2 r90 bottom (schematic designator C26)
C26_CFD7 "220nF" CAPC2012X135N 49.784,172.2 r90 bottom (schematic designator C26)
C26_CFD8 "220nF" CAPC2012X135N 49.784,142.2 r90 bottom (schematic designator C26)
C26_CFD9 "220nF" CAPC2012X135N 49.784,112.2 r90 bottom (schematic designator C26)
C26_CFD10 "220nF" CAPC2012X135N 49.784,82.2 r90 bottom (schematic designator C26)
C26_CFD11 "220nF" CAPC2012X135N 49.784,52.2 r90 bottom (schematic designator C26)
C26_CFD12 "220nF" CAPC2012X135N 49.784,22.2 r90 bottom (schematic designator C26)
C27_CFD1 "220nF" CAPC1608X87N 31.425,348.234 r270 top (schematic designator C27)
C27_CFD2 "220nF" CAPC1608X87N 31.425,318.234 r270 top (schematic designator C27)
C27_CFD3 "220nF" CAPC1608X87N 31.425,288.234 r270 top (schematic designator C27)
C27_CFD4 "220nF" CAPC1608X87N 31.425,258.234 r270 top (schematic designator C27)
C27_CFD5 "220nF" CAPC1608X87N 31.425,228.234 r270 top (schematic designator C27)
C27_CFD6 "220nF" CAPC1608X87N 31.425,198.234 r270 top (schematic designator C27)
C27_CFD7 "220nF" CAPC1608X87N 31.425,168.234 r270 top (schematic designator C27)
C27_CFD8 "220nF" CAPC1608X87N 31.425,138.234 r270 top (schematic designator C27)
C27_CFD9 "220nF" CAPC1608X87N 31.425,108.234 r270 top (schematic designator C27)
C27_CFD10 "220nF" CAPC1608X87N 31.425,78.234 r270 top (schematic designator C27)
C27_CFD11 "220nF" CAPC1608X87N 31.425,48.234 r270 top (schematic designator C27)
C27_CFD12 "220nF" CAPC1608X87N 31.425,18.234 r270 top (schematic designator C27)
C28_CFD1 "220nF" CAPC1608X87N 25.781,339.725 r180 bottom (schematic designator C28)
C28_CFD2 "220nF" CAPC1608X87N 25.781,309.725 r180 bottom (schematic designator C28)
C28_CFD3 "220nF" CAPC1608X87N 25.781,279.725 r180 bottom (schematic designator C28)
C28_CFD4 "220nF" CAPC1608X87N 25.781,249.725 r180 bottom (schematic designator C28)
C28_CFD5 "220nF" CAPC1608X87N 25.781,219.725 r180 bottom (schematic designator C28)
C28_CFD6 "220nF" CAPC1608X87N 25.781,189.725 r180 bottom (schematic designator C28)
C28_CFD7 "220nF" CAPC1608X87N 25.781,159.725 r180 bottom (schematic designator C28)
C28_CFD8 "220nF" CAPC1608X87N 25.781,129.725 r180 bottom (schematic designator C28)
C28_CFD9 "220nF" CAPC1608X87N 25.781,99.725 r180 bottom (schematic designator C28)
C28_CFD10 "220nF" CAPC1608X87N 25.781,69.725 r180 bottom (schematic designator C28)
C28_CFD11 "220nF" CAPC1608X87N 25.781,39.725 r180 bottom (schematic designator C28)
C28_CFD12 "220nF" CAPC1608X87N 25.781,9.725 r180 bottom (schematic designator C28)
C29_CFD1 "220nF" CAPC2012X135N 54.229,341.63 r180 bottom (schematic designator C29)
C29_CFD2 "220nF" CAPC2012X135N 54.229,311.63 r180 bottom (schematic designator C29)
C29_CFD3 "220nF" CAPC2012X135N 54.229,281.63 r180 bottom (schematic designator C29)
C29_CFD4 "220nF" CAPC2012X135N 54.229,251.63 r180 bottom (schematic designator C29)
C29_CFD5 "220nF" CAPC2012X135N 54.229,221.63 r180 bottom (schematic designator C29)
C29_CFD6 "220nF" CAPC2012X135N 54.229,191.63 r180 bottom (schematic designator C29)
C29_CFD7 "220nF" CAPC2012X135N 54.229,161.63 r180 bottom (schematic designator C29)
C29_CFD8 "220nF" CAPC2012X135N 54.229,131.63 r180 bottom (schematic designator C29)
C29_CFD9 "220nF" CAPC2012X135N 54.229,101.63 r180 bottom (schematic designator C29)
C29_CFD10 "220nF" CAPC2012X135N 54.229,71.63 r180 bottom (schematic designator C29)
C29_CFD11 "220nF" CAPC2012X135N 54.229,41.63 r180 bottom (schematic designator C29)
C29_CFD12 "220nF" CAPC2012X135N 54.229,11.63 r180 bottom (schematic designator C29)
C30_CFD1 "220nF" CAPC2012X135N 34.544,337.058 r90 bottom (schematic designator C30)
C30_CFD2 "220nF" CAPC2012X135N 34.544,307.058 r90 bottom (schematic designator C30)
C30_CFD3 "220nF" CAPC2012X135N 34.544,277.058 r90 bottom (schematic designator C30)
C30_CFD4 "220nF" CAPC2012X135N 34.544,247.058 r90 bottom (schematic designator C30)
C30_CFD5 "220nF" CAPC2012X135N 34.544,217.058 r90 bottom (schematic designator C30)
C30_CFD6 "220nF" CAPC2012X135N 34.544,187.058 r90 bottom (schematic designator C30)
C30_CFD7 "220nF" CAPC2012X135N 34.544,157.058 r90 bottom (schematic designator C30)
C30_CFD8 "220nF" CAPC2012X135N 34.544,127.058 r90 bottom (schematic designator C30)
C30_CFD9 "220nF" CAPC2012X135N 34.544,97.058 r90 bottom (schematic designator C30)
C30_CFD10 "220nF" CAPC2012X135N 34.544,67.058 r90 bottom (schematic designator C30)
C30_CFD11 "220nF" CAPC2012X135N 34.544,37.058 r90 bottom (schematic designator C30)
C30_CFD12 "220nF" CAPC2012X135N 34.544,7.058 r90 bottom (schematic designator C30)
C31_CFD1 "220nF" CAPC1608X87N 20.447,343.75 r270 top (schematic designator C31)
C31_CFD2 "220nF" CAPC1608X87N 20.447,313.75 r270 top (schematic designator C31)
C31_CFD3 "220nF" CAPC1608X87N 20.447,283.75 r270 top (schematic designator C31)
C31_CFD4 "220nF" CAPC1608X87N 20.447,253.75 r270 top (schematic designator C31)
C31_CFD5 "220nF" CAPC1608X87N 20.447,223.75 r270 top (schematic designator C31)
C31_CFD6 "220nF" CAPC1608X87N 20.447,193.75 r270 top (schematic designator C31)
C31_CFD7 "220nF" CAPC1608X87N 20.447,163.75 r270 top (schematic designator C31)
C31_CFD8 "220nF" CAPC1608X87N 20.447,133.75 r270 top (schematic designator C31)
C31_CFD9 "220nF" CAPC1608X87N 20.447,103.75 r270 top (schematic designator C31)
C31_CFD10 "220nF" CAPC1608X87N 20.447,73.75 r270 top (schematic designator C31)
C31_CFD11 "220nF" CAPC1608X87N 20.447,43.75 r270 top (schematic designator C31)
C31_CFD12 "220nF" CAPC1608X87N 20.447,13.75 r270 top (schematic designator C31)
C32_CFD1 "220nF" CAPC1608X87N 25.4,348.234 r270 top (schematic designator C32)
C32_CFD2 "220nF" CAPC1608X87N 25.4,318.234 r270 top (schematic designator C32)
C32_CFD3 "220nF" CAPC1608X87N 25.4,288.234 r270 top (schematic designator C32)